# KiCad board JL-rev1.kicad_pcb (continued)
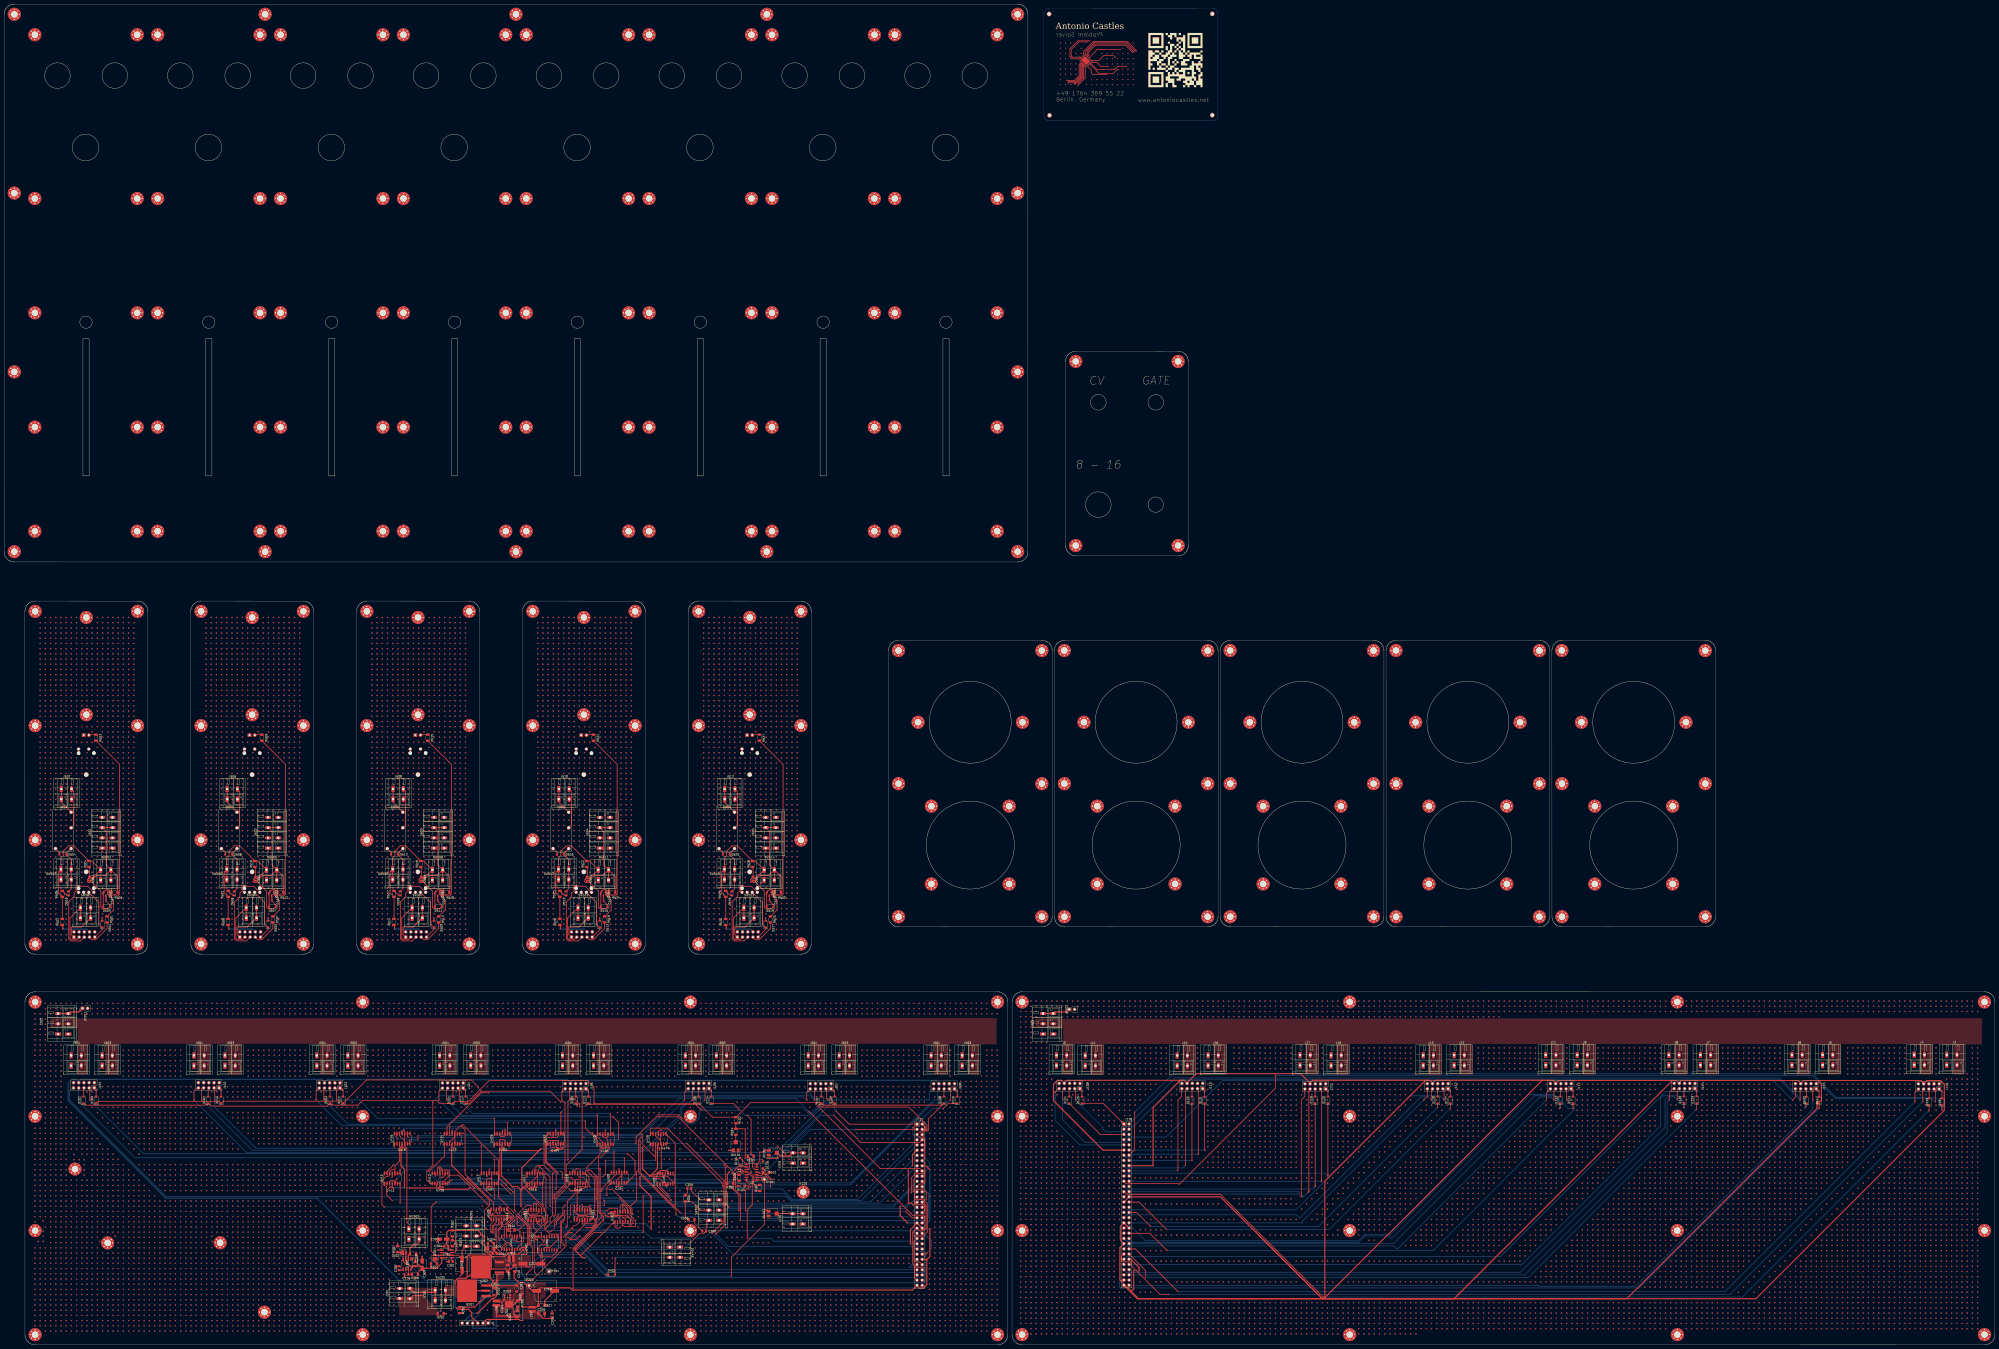
[diagram p0: board, top side]
## Routing (per net, layer and track width the routed paths; a pad name or vN(x,y) marks a point on that pad's centre or on a via; arc(x,y) is an arc through that point) (continued)
v4(197.39,345.17) v4(197.39,342.63) v4(197.39,340.09) v4(197.39,337.55) v4(197.39,335.01) v4(197.39,332.47) v4(197.39,329.93) v4(197.39,327.39) v4(197.39,324.85) v4(197.39,322.31) v4(197.39,319.77) v4(197.39,317.23) v4(197.39,314.69) v4(197.39,312.15) v4(197.39,309.61) v4(197.39,307.07) v4(197.39,304.53) v4(197.39,301.99) v4(197.39,299.45) v4(197.39,296.91) v4(197.39,294.37) v4(197.39,286.75) v4(197.39,284.21) v4(197.39,281.67) v4(197.39,279.13) v4(197.39,276.59) v4(197.39,274.05) v4(197.39,271.51) v4(197.39,268.97) v4(197.39,266.43) v4(197.39,263.89) v4(197.39,261.35) v4(197.39,258.81) v4(197.39,256.27) v4(197.39,253.73) v4(197.39,251.19) v4(197.39,248.65) v4(197.39,246.11) v4(197.39,238.49) v4(197.39,235.95) v4(197.39,233.41) v4(197.39,230.87) v4(197.39,228.33) v4(197.39,225.79) v4(197.39,218.17) v4(197.39,215.63) v4(197.39,208.01) v4(197.39,205.47) v4(199.93,350.25) v4(199.93,347.71) v4(199.93,345.17) v4(199.93,342.63) v4(199.93,340.09) v4(199.93,337.55) v4(199.93,335.01) v4(199.93,332.47) v4(199.93,329.93) v4(199.93,327.39) v4(199.93,324.85) v4(199.93,322.31) v4(199.93,319.77) v4(199.93,317.23) v4(199.93,314.69) v4(199.93,312.15) v4(199.93,301.99) v4(199.93,294.37) v4(199.93,286.75) v4(199.93,284.21) v4(199.93,281.67) v4(199.93,279.13) v4(199.93,276.59) v4(199.93,274.05) v4(199.93,271.51) v4(199.93,268.97) v4(199.93,266.43) v4(199.93,263.89) v4(199.93,261.35) v4(199.93,258.81) v4(199.93,256.27) v4(199.93,253.73) v4(199.93,251.19) v4(199.93,248.65) v4(199.93,246.11) v4(199.93,243.57) v4(199.93,235.95) v4(199.93,233.41) v4(199.93,230.87) v4(199.93,228.33) v4(199.93,225.79) v4(199.93,218.17) v4(202.47,350.25) v4(202.47,347.71) v4(202.47,345.17) v4(202.47,342.63) v4(202.47,340.09) v4(202.47,337.55) v4(202.47,335.01) v4(202.47,332.47) v4(202.47,329.93) v4(202.47,327.39) v4(202.47,324.85) v4(202.47,322.31) v4(202.47,319.77) v4(202.47,317.23) v4(202.47,314.69) v4(202.47,312.15) v4(202.47,301.99) v4(202.47,294.37) v4(202.47,289.29) v4(202.47,286.75) v4(202.47,284.21) v4(202.47,281.67) v4(202.47,274.05) v4(202.47,271.51) v4(202.47,268.97) v4(202.47,266.43) v4(202.47,263.89) v4(202.47,261.35) v4(202.47,258.81) v4(202.47,256.27) v4(202.47,253.73) v4(202.47,251.19) v4(202.47,248.65) v4(202.47,246.11) v4(202.47,243.57) v4(202.47,241.03) v4(202.47,218.17) v4(202.47,215.63) v4(202.47,213.09) v4(202.47,210.55) v4(205.01,350.25) v4(205.01,347.71) v4(205.01,345.17) v4(205.01,342.63) v4(205.01,340.09) v4(205.01,337.55) v4(205.01,335.01) v4(205.01,332.47) v4(205.01,329.93) v4(205.01,327.39) v4(205.01,324.85) v4(205.01,322.31) v4(205.01,319.77) v4(205.01,317.23) v4(205.01,314.69) v4(205.01,312.15) v4(205.01,301.99) v4(205.01,299.45) v4(205.01,294.37) v4(205.01,286.75) v4(205.01,284.21) v4(205.01,281.67) v4(205.01,279.13) v4(205.01,276.59) v4(205.01,274.05) v4(205.01,271.51) v4(205.01,268.97) v4(205.01,266.43) v4(205.01,263.89) v4(205.01,261.35) v4(205.01,258.81) v4(205.01,256.27) v4(205.01,253.73) v4(205.01,251.19) v4(205.01,248.65) v4(205.01,246.11) v4(205.01,243.57) v4(205.01,241.03) v4(205.01,238.49) v4(205.01,230.87) v4(205.01,205.47) v4(207.55,355.33) v4(207.55,352.79) v4(207.55,350.25) v4(207.55,347.71) v4(207.55,345.17) v4(207.55,342.63) v4(207.55,340.09) v4(207.55,337.55) v4(207.55,335.01) v4(207.55,332.47) v4(207.55,329.93) v4(207.55,327.39) v4(207.55,324.85) v4(207.55,322.31) v4(207.55,319.77) v4(207.55,317.23) v4(207.55,314.69) v4(207.55,312.15) v4(207.55,309.61) v4(207.55,307.07) v4(207.55,304.53) v4(207.55,301.99) v4(207.55,291.83) v4(207.55,286.75) v4(207.55,284.21) v4(207.55,281.67) v4(207.55,279.13) v4(207.55,276.59) v4(207.55,274.05) v4(207.55,271.51) v4(207.55,268.97) v4(207.55,266.43) v4(207.55,263.89) v4(207.55,261.35) v4(207.55,258.81) v4(207.55,256.27) v4(207.55,253.73) v4(207.55,251.19) v4(207.55,248.65) v4(207.55,246.11) v4(207.55,243.57) v4(207.55,241.03) v4(207.55,238.49) v4(207.55,235.95) v4(207.55,225.79) v4(210.09,355.33) v4(210.09,352.79) v4(210.09,350.25) v4(210.09,347.71) v4(210.09,345.17) v4(210.09,342.63) v4(210.09,340.09) v4(210.09,337.55) v4(210.09,335.01) v4(210.09,332.47) v4(210.09,329.93) v4(210.09,327.39) v4(210.09,324.85) v4(210.09,322.31) v4(210.09,319.77) v4(210.09,317.23) v4(210.09,314.69) v4(210.09,312.15) v4(210.09,309.61) v4(210.09,307.07) v4(210.09,304.53) v4(210.09,301.99) v4(210.09,299.45) v4(210.09,296.91) v4(210.09,294.37) v4(210.09,289.29) v4(210.09,286.75) v4(210.09,284.21) v4(210.09,281.67) v4(210.09,279.13) v4(210.09,276.59) v4(210.09,274.05) v4(210.09,271.51) v4(210.09,268.97) v4(210.09,266.43) v4(210.09,263.89) v4(210.09,261.35) v4(210.09,241.03) v4(210.09,238.49) v4(210.09,235.95) v4(210.09,223.25) v4(210.09,210.55) v4(210.09,197.85) v4(212.63,355.33) v4(212.63,352.79) v4(212.63,350.25) v4(212.63,347.71) v4(212.63,345.17) v4(212.63,342.63) v4(212.63,340.09) v4(212.63,337.55) v4(212.63,335.01) v4(212.63,332.47) v4(212.63,329.93) v4(212.63,327.39) v4(212.63,324.85) v4(212.63,322.31) v4(212.63,319.77) v4(212.63,317.23) v4(212.63,314.69) v4(212.63,312.15) v4(212.63,309.61) v4(212.63,307.07) v4(212.63,304.53) v4(212.63,301.99) v4(212.63,299.45) v4(212.63,296.91) v4(212.63,294.37) v4(212.63,291.83) v4(212.63,286.75) v4(212.63,284.21) v4(212.63,281.67) v4(212.63,279.13) v4(212.63,276.59) v4(212.63,274.05) v4(212.63,271.51) v4(212.63,268.97) v4(212.63,266.43) v4(212.63,263.89) v4(212.63,261.35) v4(212.63,258.81) v4(212.63,256.27) v4(212.63,200.39) v4(212.63,197.85) v4(215.17,355.33) v4(215.17,352.79) v4(215.17,350.25) v4(215.17,347.71) v4(215.17,345.17) v4(215.17,342.63) v4(215.17,340.09) v4(215.17,337.55) v4(215.17,335.01) v4(215.17,332.47) v4(215.17,329.93) v4(215.17,327.39) v4(215.17,324.85) v4(215.17,322.31) v4(215.17,319.77) v4(215.17,317.23) v4(215.17,314.69) v4(215.17,312.15) v4(215.17,309.61) v4(215.17,307.07) v4(215.17,304.53) v4(215.17,301.99) v4(215.17,299.45) v4(215.17,296.91) v4(215.17,294.37) v4(215.17,291.83) v4(215.17,289.29) v4(215.17,284.21) v4(215.17,281.67) v4(215.17,279.13) v4(215.17,276.59) v4(215.17,274.05) v4(215.17,271.51) v4(215.17,268.97) v4(215.17,266.43) v4(215.17,263.89) v4(215.17,261.35) v4(215.17,241.03) v4(215.17,238.49) v4(215.17,235.95) v4(215.17,208.01) v4(215.17,205.47) v4(215.17,202.93) v4(215.17,200.39) v4(215.17,197.85) v4(217.71,355.33) v4(217.71,352.79) v4(217.71,350.25) v4(217.71,347.71) v4(217.71,345.17) v4(217.71,342.63) v4(217.71,340.09) v4(217.71,337.55) v4(217.71,335.01) v4(217.71,332.47) v4(217.71,329.93) v4(217.71,327.39) v4(217.71,324.85) v4(217.71,322.31) v4(217.71,319.77) v4(217.71,317.23) v4(217.71,314.69) v4(217.71,312.15) v4(217.71,309.61) v4(217.71,307.07) v4(217.71,304.53) v4(217.71,301.99) v4(217.71,299.45) v4(217.71,296.91) v4(217.71,294.37) v4(217.71,291.83) v4(217.71,289.29) v4(217.71,286.75) v4(217.71,218.17) v4(217.71,215.63) v4(217.71,213.09) v4(217.71,210.55) v4(217.71,208.01) v4(217.71,205.47) v4(217.71,202.93) v4(217.71,200.39) v4(217.71,197.85) v4(220.25,355.33) v4(220.25,352.79) v4(220.25,350.25) v4(220.25,347.71) v4(220.25,345.17) v4(220.25,342.63) v4(220.25,340.09) v4(220.25,337.55) v4(220.25,335.01) v4(220.25,332.47) v4(220.25,329.93) v4(220.25,327.39) v4(220.25,324.85) v4(220.25,322.31) v4(220.25,319.77) v4(220.25,317.23) v4(220.25,314.69) v4(220.25,312.15) v4(220.25,309.61) v4(220.25,307.07) v4(220.25,304.53) v4(220.25,301.99) v4(220.25,299.45) v4(220.25,296.91) v4(220.25,294.37) v4(220.25,291.83) v4(220.25,289.29) v4(220.25,286.75) v4(220.25,284.21) v4(220.25,281.67) v4(220.25,279.13) v4(220.25,276.59) v4(220.25,274.05) v4(220.25,271.51) v4(220.25,268.97) v4(220.25,266.43) v4(220.25,263.89) v4(220.25,261.35) v4(220.25,258.81) v4(220.25,256.27) v4(220.25,253.73) v4(220.25,251.19) v4(220.25,248.65) v4(220.25,246.11) v4(220.25,243.57) v4(220.25,241.03) v4(220.25,238.49) v4(220.25,235.95) v4(220.25,233.41) v4(220.25,230.87) v4(220.25,228.33) v4(220.25,225.79) v4(220.25,223.25) v4(220.25,220.71) v4(220.25,218.17) v4(220.25,215.63) v4(220.25,213.09) v4(220.25,210.55) v4(220.25,208.01) v4(220.25,205.47) v4(220.25,202.93) v4(220.25,200.39) v4(220.25,197.85) v4(222.79,355.33) v4(222.79,352.79) v4(222.79,350.25) v4(222.79,347.71) v4(222.79,345.17) v4(222.79,342.63) v4(222.79,340.09) v4(222.79,337.55) v4(222.79,335.01) v4(222.79,332.47) v4(222.79,329.93) v4(222.79,327.39) v4(222.79,324.85) v4(222.79,322.31) v4(222.79,319.77) v4(222.79,317.23) v4(222.79,314.69) v4(222.79,312.15) v4(222.79,309.61) v4(222.79,307.07) v4(222.79,304.53) v4(222.79,301.99) v4(222.79,299.45) v4(222.79,296.91) v4(222.79,294.37) v4(222.79,291.83) v4(222.79,289.29) v4(222.79,286.75) v4(222.79,284.21) v4(222.79,281.67) v4(222.79,279.13) v4(222.79,276.59) v4(222.79,274.05) v4(222.79,271.51) v4(222.79,268.97) v4(222.79,266.43) v4(222.79,263.89) v4(222.79,261.35) v4(222.79,258.81) v4(222.79,256.27) v4(222.79,253.73) v4(222.79,251.19) v4(222.79,248.65) v4(222.79,246.11) v4(222.79,243.57) v4(222.79,241.03) v4(222.79,238.49) v4(222.79,235.95) v4(222.79,233.41) v4(222.79,230.87) v4(222.79,228.33) v4(222.79,225.79) v4(222.79,223.25) v4(222.79,220.71) v4(222.79,218.17) v4(222.79,215.63) v4(222.79,213.09) v4(222.79,210.55) v4(222.79,208.01) v4(222.79,205.47) v4(222.79,202.93) v4(222.79,200.39) v4(222.79,197.85) v4(225.33,352.79) v4(225.33,350.25) v4(225.33,347.71) v4(225.33,345.17) v4(225.33,342.63) v4(225.33,340.09) v4(225.33,337.55) v4(225.33,335.01) v4(225.33,332.47) v4(225.33,329.93) v4(225.33,327.39) v4(225.33,324.85) v4(225.33,322.31) v4(225.33,319.77) v4(225.33,317.23) v4(225.33,314.69) v4(225.33,312.15) v4(225.33,309.61) v4(225.33,307.07) v4(225.33,296.91) v4(225.33,294.37) v4(225.33,291.83) v4(225.33,289.29) v4(225.33,286.75) v4(225.33,284.21) v4(225.33,281.67) v4(225.33,279.13) v4(225.33,276.59) v4(225.33,274.05) v4(225.33,271.51) v4(225.33,268.97) v4(225.33,266.43) v4(225.33,263.89) v4(225.33,261.35) v4(225.33,258.81) v4(225.33,256.27) v4(225.33,253.73) v4(225.33,251.19) v4(225.33,241.03) v4(225.33,238.49) v4(225.33,235.95) v4(225.33,233.41) v4(225.33,230.87) v4(225.33,228.33) v4(225.33,225.79) v4(225.33,223.25) v4(225.33,220.71) v4(225.33,218.17) v4(225.33,215.63) v4(225.33,213.09) v4(225.33,210.55) v4(225.33,208.01) v4(225.33,205.47) v4(225.33,202.93) v4(225.33,200.39) v4(260.61,352.79) v4(260.61,350.25) v4(260.61,347.71) v4(260.61,345.17) v4(260.61,342.63) v4(260.61,340.09) v4(260.61,337.55) v4(260.61,335.01) v4(260.61,332.47) v4(260.61,329.93) v4(260.61,327.39) v4(260.61,324.85) v4(260.61,322.31) v4(260.61,319.77) v4(260.61,317.23) v4(260.61,314.69) v4(260.61,312.15) v4(260.61,309.61) v4(260.61,307.07) v4(260.61,296.91) v4(260.61,294.37) v4(260.61,291.83) v4(260.61,289.29) v4(260.61,286.75) v4(260.61,284.21) v4(260.61,281.67) v4(260.61,279.13) v4(260.61,276.59) v4(260.61,274.05) v4(260.61,271.51) v4(260.61,268.97) v4(260.61,266.43) v4(260.61,263.89) v4(260.61,261.35) v4(260.61,258.81) v4(260.61,256.27) v4(260.61,253.73) v4(260.61,251.19) v4(260.61,241.03) v4(260.61,238.49) v4(260.61,235.95) v4(260.61,233.41) v4(260.61,230.87) v4(260.61,228.33) v4(260.61,225.79) v4(260.61,223.25) v4(260.61,220.71) v4(260.61,218.17) v4(260.61,215.63) v4(260.61,213.09) v4(260.61,210.55) v4(260.61,208.01) v4(260.61,205.47) v4(260.61,202.93) v4(260.61,200.39) v4(263.15,355.33) v4(263.15,352.79) v4(263.15,350.25) v4(263.15,347.71) v4(263.15,345.17) v4(263.15,342.63) v4(263.15,340.09) v4(263.15,337.55) v4(263.15,335.01) v4(263.15,332.47) v4(263.15,329.93) v4(263.15,327.39) v4(263.15,324.85) v4(263.15,322.31) v4(263.15,319.77) v4(263.15,317.23) v4(263.15,314.69) v4(263.15,312.15) v4(263.15,309.61) v4(263.15,307.07) v4(263.15,304.53) v4(263.15,301.99) v4(263.15,299.45) v4(263.15,296.91) v4(263.15,294.37) v4(263.15,291.83) v4(263.15,289.29) v4(263.15,286.75) v4(263.15,284.21) v4(263.15,281.67) v4(263.15,279.13) v4(263.15,276.59) v4(263.15,274.05) v4(263.15,271.51) v4(263.15,268.97) v4(263.15,266.43) v4(263.15,263.89) v4(263.15,261.35) v4(263.15,258.81) v4(263.15,256.27) v4(263.15,253.73) v4(263.15,251.19) v4(263.15,248.65) v4(263.15,246.11) v4(263.15,243.57) v4(263.15,241.03) v4(263.15,238.49) v4(263.15,235.95) v4(263.15,233.41) v4(263.15,230.87) v4(263.15,228.33) v4(263.15,225.79) v4(263.15,223.25) v4(263.15,220.71) v4(263.15,218.17) v4(263.15,215.63) v4(263.15,213.09) v4(263.15,210.55) v4(263.15,208.01) v4(263.15,205.47) v4(263.15,202.93) v4(263.15,200.39) v4(263.15,197.85) v4(265.69,355.33) v4(265.69,352.79) v4(265.69,350.25) v4(265.69,347.71) v4(265.69,345.17) v4(265.69,342.63) v4(265.69,340.09) v4(265.69,337.55) v4(265.69,335.01) v4(265.69,332.47) v4(265.69,329.93) v4(265.69,327.39) v4(265.69,324.85) v4(265.69,322.31) v4(265.69,319.77) v4(265.69,317.23) v4(265.69,314.69) v4(265.69,312.15) v4(265.69,309.61) v4(265.69,307.07) v4(265.69,304.53) v4(265.69,301.99) v4(265.69,299.45) v4(265.69,296.91) v4(265.69,294.37) v4(265.69,291.83) v4(265.69,289.29) v4(265.69,286.75) v4(265.69,284.21) v4(265.69,281.67) v4(265.69,279.13) v4(265.69,276.59) v4(265.69,274.05) v4(265.69,271.51) v4(265.69,268.97) v4(265.69,266.43) v4(265.69,263.89) v4(265.69,261.35) v4(265.69,258.81) v4(265.69,256.27) v4(265.69,253.73) v4(265.69,251.19) v4(265.69,248.65) v4(265.69,246.11) v4(265.69,243.57) v4(265.69,241.03) v4(265.69,238.49) v4(265.69,235.95) v4(265.69,233.41) v4(265.69,230.87) v4(265.69,228.33) v4(265.69,225.79) v4(265.69,223.25) v4(265.69,220.71) v4(265.69,218.17) v4(265.69,215.63) v4(265.69,213.09) v4(265.69,210.55) v4(265.69,208.01) v4(265.69,205.47) v4(265.69,202.93) v4(265.69,200.39) v4(265.69,197.85) v4(268.23,355.33) v4(268.23,352.79) v4(268.23,350.25) v4(268.23,347.71) v4(268.23,345.17) v4(268.23,342.63) v4(268.23,340.09) v4(268.23,337.55) v4(268.23,335.01) v4(268.23,332.47) v4(268.23,329.93) v4(268.23,327.39) v4(268.23,324.85) v4(268.23,322.31) v4(268.23,319.77) v4(268.23,317.23) v4(268.23,314.69) v4(268.23,312.15) v4(268.23,309.61) v4(268.23,307.07) v4(268.23,304.53) v4(268.23,301.99) v4(268.23,299.45) v4(268.23,296.91) v4(268.23,294.37) v4(268.23,291.83) v4(268.23,289.29) v4(268.23,286.75) v4(268.23,284.21) v4(268.23,281.67) v4(268.23,279.13) v4(268.23,276.59) v4(268.23,274.05) v4(268.23,271.51) v4(268.23,268.97) v4(268.23,266.43) v4(268.23,263.89) v4(268.23,261.35) v4(268.23,258.81) v4(268.23,256.27) v4(268.23,253.73) v4(268.23,251.19) v4(268.23,248.65) v4(268.23,246.11) v4(268.23,238.49) v4(268.23,235.95) v4(268.23,233.41) v4(268.23,230.87) v4(268.23,228.33) v4(268.23,225.79) v4(268.23,223.25) v4(268.23,220.71) v4(268.23,218.17) v4(268.23,215.63) v4(268.23,213.09) v4(268.23,210.55) v4(268.23,208.01) v4(268.23,205.47) v4(268.23,202.93) v4(268.23,200.39) v4(268.23,197.85) v4(270.77,355.33) v4(270.77,352.79) v4(270.77,350.25) v4(270.77,347.71) v4(270.77,345.17) v4(270.77,342.63) v4(270.77,340.09) v4(270.77,337.55) v4(270.77,335.01) v4(270.77,332.47) v4(270.77,329.93) v4(270.77,327.39) v4(270.77,324.85) v4(270.77,322.31) v4(270.77,319.77) v4(270.77,317.23) v4(270.77,314.69) v4(270.77,312.15) v4(270.77,309.61) v4(270.77,307.07) v4(270.77,304.53) v4(270.77,301.99) v4(270.77,299.45) v4(270.77,296.91) v4(270.77,294.37) v4(270.77,291.83) v4(270.77,289.29) v4(270.77,286.75) v4(270.77,284.21) v4(270.77,281.67) v4(270.77,279.13) v4(270.77,276.59) v4(270.77,274.05) v4(270.77,261.35) v4(270.77,258.81) v4(270.77,256.27) v4(270.77,253.73) v4(270.77,251.19) v4(270.77,248.65) v4(270.77,246.11) v4(270.77,243.57) v4(270.77,223.25) v4(270.77,200.39) v4(270.77,197.85) v4(273.31,355.33) v4(273.31,352.79) v4(273.31,350.25) v4(273.31,347.71) v4(273.31,345.17) v4(273.31,342.63) v4(273.31,340.09) v4(273.31,337.55) v4(273.31,335.01) v4(273.31,332.47) v4(273.31,329.93) v4(273.31,327.39) v4(273.31,324.85) v4(273.31,322.31) v4(273.31,319.77) v4(273.31,317.23) v4(273.31,314.69) v4(273.31,312.15) v4(273.31,309.61) v4(273.31,307.07) v4(273.31,304.53) v4(273.31,301.99) v4(273.31,299.45) v4(273.31,296.91) v4(273.31,294.37) v4(273.31,291.83) v4(273.31,289.29) v4(273.31,286.75) v4(273.31,284.21) v4(273.31,281.67) v4(273.31,279.13) v4(273.31,276.59) v4(273.31,274.05) v4(273.31,271.51) v4(273.31,268.97) v4(273.31,266.43) v4(273.31,258.81) v4(273.31,256.27) v4(273.31,253.73) v4(273.31,251.19) v4(273.31,248.65) v4(273.31,246.11) v4(273.31,235.95) v4(273.31,233.41) v4(273.31,230.87) v4(273.31,228.33) v4(273.31,225.79) v4(273.31,223.25) v4(273.31,218.17) v4(273.31,215.63) v4(273.31,213.09) v4(273.31,210.55) v4(273.31,208.01) v4(273.31,205.47) v4(273.31,200.39) v4(273.31,197.85) v4(275.85,355.33) v4(275.85,352.79) v4(275.85,350.25) v4(275.85,347.71) v4(275.85,345.17) v4(275.85,342.63) v4(275.85,340.09) v4(275.85,337.55) v4(275.85,335.01) v4(275.85,332.47) v4(275.85,329.93) v4(275.85,327.39) v4(275.85,324.85) v4(275.85,322.31) v4(275.85,319.77) v4(275.85,317.23) v4(275.85,314.69) v4(275.85,312.15) v4(275.85,309.61) v4(275.85,307.07) v4(275.85,304.53) v4(275.85,301.99) v4(275.85,299.45) v4(275.85,296.91) v4(275.85,294.37) v4(275.85,291.83) v4(275.85,289.29) v4(275.85,286.75) v4(275.85,284.21) v4(275.85,281.67) v4(275.85,279.13) v4(275.85,276.59) v4(275.85,274.05) v4(275.85,263.89) v4(275.85,256.27) v4(275.85,248.65) v4(275.85,246.11) v4(275.85,213.09) v4(278.39,355.33) v4(278.39,352.79) v4(278.39,350.25) v4(278.39,347.71) v4(278.39,345.17) v4(278.39,342.63) v4(278.39,340.09) v4(278.39,337.55) v4(278.39,335.01) v4(278.39,332.47) v4(278.39,329.93) v4(278.39,327.39) v4(278.39,324.85) v4(278.39,322.31) v4(278.39,319.77) v4(278.39,317.23) v4(278.39,314.69) v4(278.39,312.15) v4(278.39,309.61) v4(278.39,307.07) v4(278.39,304.53) v4(278.39,301.99) v4(278.39,299.45) v4(278.39,296.91) v4(278.39,294.37) v4(278.39,286.75) v4(278.39,284.21) v4(278.39,281.67) v4(278.39,279.13) v4(278.39,276.59) v4(278.39,274.05) v4(278.39,271.51) v4(278.39,268.97) v4(278.39,266.43) v4(278.39,263.89) v4(278.39,261.35) v4(278.39,258.81) v4(278.39,256.27) v4(278.39,253.73) v4(278.39,251.19) v4(278.39,248.65) v4(278.39,246.11) v4(278.39,238.49) v4(278.39,235.95) v4(278.39,233.41) v4(278.39,230.87) v4(278.39,228.33) v4(278.39,225.79) v4(278.39,218.17) v4(278.39,215.63) v4(278.39,208.01) v4(278.39,205.47) v4(280.93,350.25) v4(280.93,347.71) v4(280.93,345.17) v4(280.93,342.63) v4(280.93,340.09) v4(280.93,337.55) v4(280.93,335.01) v4(280.93,332.47) v4(280.93,329.93) v4(280.93,327.39) v4(280.93,324.85) v4(280.93,322.31) v4(280.93,319.77) v4(280.93,317.23) v4(280.93,314.69) v4(280.93,312.15) v4(280.93,301.99) v4(280.93,294.37) v4(280.93,286.75) v4(280.93,284.21) v4(280.93,281.67) v4(280.93,279.13) v4(280.93,276.59) v4(280.93,274.05) v4(280.93,271.51) v4(280.93,268.97) v4(280.93,266.43) v4(280.93,263.89) v4(280.93,261.35) v4(280.93,258.81) v4(280.93,256.27) v4(280.93,253.73) v4(280.93,251.19) v4(280.93,248.65) v4(280.93,246.11) v4(280.93,243.57) v4(280.93,235.95) v4(280.93,233.41) v4(280.93,230.87) v4(280.93,228.33) v4(280.93,225.79) v4(280.93,218.17) v4(283.47,350.25) v4(283.47,347.71) v4(283.47,345.17) v4(283.47,342.63) v4(283.47,340.09) v4(283.47,337.55) v4(283.47,335.01) v4(283.47,332.47) v4(283.47,329.93) v4(283.47,327.39) v4(283.47,324.85) v4(283.47,322.31) v4(283.47,319.77) v4(283.47,317.23) v4(283.47,314.69) v4(283.47,312.15) v4(283.47,301.99) v4(283.47,294.37) v4(283.47,289.29) v4(283.47,286.75) v4(283.47,284.21) v4(283.47,281.67) v4(283.47,274.05) v4(283.47,271.51) v4(283.47,268.97) v4(283.47,266.43) v4(283.47,263.89) v4(283.47,261.35) v4(283.47,258.81) v4(283.47,256.27) v4(283.47,253.73) v4(283.47,251.19) v4(283.47,248.65) v4(283.47,246.11) v4(283.47,243.57) v4(283.47,241.03) v4(283.47,218.17) v4(283.47,215.63) v4(283.47,213.09) v4(283.47,210.55) v4(286.01,350.25) v4(286.01,347.71) v4(286.01,345.17) v4(286.01,342.63) v4(286.01,340.09) v4(286.01,337.55) v4(286.01,335.01) v4(286.01,332.47) v4(286.01,329.93) v4(286.01,327.39) v4(286.01,324.85) v4(286.01,322.31) v4(286.01,319.77) v4(286.01,317.23) v4(286.01,314.69) v4(286.01,312.15) v4(286.01,301.99) v4(286.01,299.45) v4(286.01,294.37) v4(286.01,286.75) v4(286.01,284.21) v4(286.01,281.67) v4(286.01,279.13) v4(286.01,276.59) v4(286.01,274.05) v4(286.01,271.51) v4(286.01,268.97) v4(286.01,266.43) v4(286.01,263.89) v4(286.01,261.35) v4(286.01,258.81) v4(286.01,256.27) v4(286.01,253.73) v4(286.01,251.19) v4(286.01,248.65) v4(286.01,246.11) v4(286.01,243.57) v4(286.01,241.03) v4(286.01,238.49) v4(286.01,230.87) v4(286.01,205.47) v4(288.55,355.33) v4(288.55,352.79) v4(288.55,350.25) v4(288.55,347.71) v4(288.55,345.17) v4(288.55,342.63) v4(288.55,340.09) v4(288.55,337.55) v4(288.55,335.01) v4(288.55,332.47) v4(288.55,329.93) v4(288.55,327.39) v4(288.55,324.85) v4(288.55,322.31) v4(288.55,319.77) v4(288.55,317.23) v4(288.55,314.69) v4(288.55,312.15) v4(288.55,309.61) v4(288.55,307.07) v4(288.55,304.53) v4(288.55,301.99) v4(288.55,291.83) v4(288.55,286.75) v4(288.55,284.21) v4(288.55,281.67) v4(288.55,279.13) v4(288.55,276.59) v4(288.55,274.05) v4(288.55,271.51) v4(288.55,268.97) v4(288.55,266.43) v4(288.55,263.89) v4(288.55,261.35) v4(288.55,258.81) v4(288.55,256.27) v4(288.55,253.73) v4(288.55,251.19) v4(288.55,248.65) v4(288.55,246.11) v4(288.55,243.57) v4(288.55,241.03) v4(288.55,238.49) v4(288.55,235.95) v4(288.55,225.79) v4(291.09,355.33) v4(291.09,352.79) v4(291.09,350.25) v4(291.09,347.71) v4(291.09,345.17) v4(291.09,342.63) v4(291.09,340.09) v4(291.09,337.55) v4(291.09,335.01) v4(291.09,332.47) v4(291.09,329.93) v4(291.09,327.39) v4(291.09,324.85) v4(291.09,322.31) v4(291.09,319.77) v4(291.09,317.23) v4(291.09,314.69) v4(291.09,312.15) v4(291.09,309.61) v4(291.09,307.07) v4(291.09,304.53) v4(291.09,301.99) v4(291.09,299.45) v4(291.09,296.91) v4(291.09,294.37) v4(291.09,289.29) v4(291.09,286.75) v4(291.09,284.21) v4(291.09,281.67) v4(291.09,279.13) v4(291.09,276.59) v4(291.09,274.05) v4(291.09,271.51) v4(291.09,268.97) v4(291.09,266.43) v4(291.09,263.89) v4(291.09,261.35) v4(291.09,241.03) v4(291.09,238.49) v4(291.09,235.95) v4(291.09,223.25) v4(291.09,210.55) v4(291.09,197.85) v4(293.63,355.33) v4(293.63,352.79) v4(293.63,350.25) v4(293.63,347.71) v4(293.63,345.17) v4(293.63,342.63) v4(293.63,340.09) v4(293.63,337.55) v4(293.63,335.01) v4(293.63,332.47) v4(293.63,329.93) v4(293.63,327.39) v4(293.63,324.85) v4(293.63,322.31) v4(293.63,319.77) v4(293.63,317.23) v4(293.63,314.69) v4(293.63,312.15) v4(293.63,309.61) v4(293.63,307.07) v4(293.63,304.53) v4(293.63,301.99) v4(293.63,299.45) v4(293.63,296.91) v4(293.63,294.37) v4(293.63,291.83) v4(293.63,286.75) v4(293.63,284.21) v4(293.63,281.67) v4(293.63,279.13) v4(293.63,276.59) v4(293.63,274.05) v4(293.63,271.51) v4(293.63,268.97) v4(293.63,266.43) v4(293.63,263.89) v4(293.63,261.35) v4(293.63,258.81) v4(293.63,256.27) v4(293.63,200.39) v4(293.63,197.85) v4(296.17,355.33) v4(296.17,352.79) v4(296.17,350.25) v4(296.17,347.71) v4(296.17,345.17) v4(296.17,342.63) v4(296.17,340.09) v4(296.17,337.55) v4(296.17,335.01) v4(296.17,332.47) v4(296.17,329.93) v4(296.17,327.39) v4(296.17,324.85) v4(296.17,322.31) v4(296.17,319.77) v4(296.17,317.23) v4(296.17,314.69) v4(296.17,312.15) v4(296.17,309.61) v4(296.17,307.07) v4(296.17,304.53) v4(296.17,301.99) v4(296.17,299.45) v4(296.17,296.91) v4(296.17,294.37) v4(296.17,291.83) v4(296.17,289.29) v4(296.17,284.21) v4(296.17,281.67) v4(296.17,279.13) v4(296.17,276.59) v4(296.17,274.05) v4(296.17,271.51) v4(296.17,268.97) v4(296.17,266.43) v4(296.17,263.89) v4(296.17,261.35) v4(296.17,241.03) v4(296.17,238.49) v4(296.17,235.95) v4(296.17,208.01) v4(296.17,205.47) v4(296.17,202.93) v4(296.17,200.39) v4(296.17,197.85) v4(298.71,355.33) v4(298.71,352.79) v4(298.71,350.25) v4(298.71,347.71) v4(298.71,345.17) v4(298.71,342.63) v4(298.71,340.09) v4(298.71,337.55) v4(298.71,335.01) v4(298.71,332.47) v4(298.71,329.93) v4(298.71,327.39) v4(298.71,324.85) v4(298.71,322.31) v4(298.71,319.77) v4(298.71,317.23) v4(298.71,314.69) v4(298.71,312.15) v4(298.71,309.61) v4(298.71,307.07) v4(298.71,304.53) v4(298.71,301.99) v4(298.71,299.45) v4(298.71,296.91) v4(298.71,294.37) v4(298.71,291.83) v4(298.71,289.29) v4(298.71,286.75) v4(298.71,218.17) v4(298.71,215.63) v4(298.71,213.09) v4(298.71,210.55) v4(298.71,208.01) v4(298.71,205.47) v4(298.71,202.93) v4(298.71,200.39) v4(298.71,197.85) v4(301.25,355.33) v4(301.25,352.79) v4(301.25,350.25) v4(301.25,347.71) v4(301.25,345.17) v4(301.25,342.63) v4(301.25,340.09) v4(301.25,337.55) v4(301.25,335.01) v4(301.25,332.47) v4(301.25,329.93) v4(301.25,327.39) v4(301.25,324.85) v4(301.25,322.31) v4(301.25,319.77) v4(301.25,317.23) v4(301.25,314.69) v4(301.25,312.15) v4(301.25,309.61) v4(301.25,307.07) v4(301.25,304.53) v4(301.25,301.99) v4(301.25,299.45) v4(301.25,296.91) v4(301.25,294.37) v4(301.25,291.83) v4(301.25,289.29) v4(301.25,286.75) v4(301.25,284.21) v4(301.25,281.67) v4(301.25,279.13) v4(301.25,276.59) v4(301.25,274.05) v4(301.25,271.51) v4(301.25,268.97) v4(301.25,266.43) v4(301.25,263.89) v4(301.25,261.35) v4(301.25,258.81) v4(301.25,256.27) v4(301.25,253.73) v4(301.25,251.19) v4(301.25,248.65) v4(301.25,246.11) v4(301.25,243.57) v4(301.25,241.03) v4(301.25,238.49) v4(301.25,235.95) v4(301.25,233.41) v4(301.25,230.87) v4(301.25,228.33) v4(301.25,225.79) v4(301.25,223.25) v4(301.25,220.71) v4(301.25,218.17) v4(301.25,215.63) v4(301.25,213.09) v4(301.25,210.55) v4(301.25,208.01) v4(301.25,205.47) v4(301.25,202.93) v4(301.25,200.39) v4(301.25,197.85) v4(303.79,355.33) v4(303.79,352.79) v4(303.79,350.25) v4(303.79,347.71) v4(303.79,345.17) v4(303.79,342.63) v4(303.79,340.09) v4(303.79,337.55) v4(303.79,335.01) v4(303.79,332.47) v4(303.79,329.93) v4(303.79,327.39) v4(303.79,324.85) v4(303.79,322.31) v4(303.79,319.77) v4(303.79,317.23) v4(303.79,314.69) v4(303.79,312.15) v4(303.79,309.61) v4(303.79,307.07) v4(303.79,304.53) v4(303.79,301.99) v4(303.79,299.45) v4(303.79,296.91) v4(303.79,294.37) v4(303.79,291.83) v4(303.79,289.29) v4(303.79,286.75) v4(303.79,284.21) v4(303.79,281.67) v4(303.79,279.13) v4(303.79,276.59) v4(303.79,274.05) v4(303.79,271.51) v4(303.79,268.97) v4(303.79,266.43) v4(303.79,263.89) v4(303.79,261.35) v4(303.79,258.81) v4(303.79,256.27) v4(303.79,253.73) v4(303.79,251.19) v4(303.79,248.65) v4(303.79,246.11) v4(303.79,243.57) v4(303.79,241.03) v4(303.79,238.49) v4(303.79,235.95) v4(303.79,233.41) v4(303.79,230.87) v4(303.79,228.33) v4(303.79,225.79) v4(303.79,223.25) v4(303.79,220.71) v4(303.79,218.17) v4(303.79,215.63) v4(303.79,213.09) v4(303.79,210.55) v4(303.79,208.01) v4(303.79,205.47) v4(303.79,202.93) v4(303.79,200.39) v4(303.79,197.85) v4(306.33,352.79) v4(306.33,350.25) v4(306.33,347.71) v4(306.33,345.17) v4(306.33,342.63) v4(306.33,340.09) v4(306.33,337.55) v4(306.33,335.01) v4(306.33,332.47) v4(306.33,329.93) v4(306.33,327.39) v4(306.33,324.85) v4(306.33,322.31) v4(306.33,319.77) v4(306.33,317.23) v4(306.33,314.69) v4(306.33,312.15) v4(306.33,309.61) v4(306.33,307.07) v4(306.33,296.91) v4(306.33,294.37) v4(306.33,291.83) v4(306.33,289.29) v4(306.33,286.75) v4(306.33,284.21) v4(306.33,281.67) v4(306.33,279.13) v4(306.33,276.59) v4(306.33,274.05) v4(306.33,271.51) v4(306.33,268.97) v4(306.33,266.43) v4(306.33,263.89) v4(306.33,261.35) v4(306.33,258.81) v4(306.33,256.27) v4(306.33,253.73) v4(306.33,251.19) v4(306.33,241.03) v4(306.33,238.49) v4(306.33,235.95) v4(306.33,233.41) v4(306.33,230.87) v4(306.33,228.33) v4(306.33,225.79) v4(306.33,223.25) v4(306.33,220.71) v4(306.33,218.17) v4(306.33,215.63) v4(306.33,213.09) v4(306.33,210.55) v4(306.33,208.01) v4(306.33,205.47) v4(306.33,202.93) v4(306.33,200.39) v4(341.61,352.79) v4(341.61,350.25) v4(341.61,347.71) v4(341.61,345.17) v4(341.61,342.63) v4(341.61,340.09) v4(341.61,337.55) v4(341.61,335.01) v4(341.61,332.47) v4(341.61,329.93) v4(341.61,327.39) v4(341.61,324.85) v4(341.61,322.31) v4(341.61,319.77) v4(341.61,317.23) v4(341.61,314.69) v4(341.61,312.15) v4(341.61,309.61) v4(341.61,307.07) v4(341.61,296.91) v4(341.61,294.37) v4(341.61,291.83) v4(341.61,289.29) v4(341.61,286.75) v4(341.61,284.21) v4(341.61,281.67) v4(341.61,279.13) v4(341.61,276.59) v4(341.61,274.05) v4(341.61,271.51) v4(341.61,268.97) v4(341.61,266.43) v4(341.61,263.89) v4(341.61,261.35) v4(341.61,258.81) v4(341.61,256.27) v4(341.61,253.73) v4(341.61,251.19) v4(341.61,241.03) v4(341.61,238.49) v4(341.61,235.95) v4(341.61,233.41) v4(341.61,230.87) v4(341.61,228.33) v4(341.61,225.79) v4(341.61,223.25) v4(341.61,220.71) v4(341.61,218.17) v4(341.61,215.63) v4(341.61,213.09) v4(341.61,210.55) v4(341.61,208.01) v4(341.61,205.47) v4(341.61,202.93) v4(341.61,200.39) v4(344.15,355.33) v4(344.15,352.79) v4(344.15,350.25) v4(344.15,347.71) v4(344.15,345.17) v4(344.15,342.63) v4(344.15,340.09) v4(344.15,337.55) v4(344.15,335.01) v4(344.15,332.47) v4(344.15,329.93) v4(344.15,327.39) v4(344.15,324.85) v4(344.15,322.31) v4(344.15,319.77) v4(344.15,317.23) v4(344.15,314.69) v4(344.15,312.15) v4(344.15,309.61) v4(344.15,307.07) v4(344.15,304.53) v4(344.15,301.99) v4(344.15,299.45) v4(344.15,296.91) v4(344.15,294.37) v4(344.15,291.83) v4(344.15,289.29) v4(344.15,286.75) v4(344.15,284.21) v4(344.15,281.67) v4(344.15,279.13) v4(344.15,276.59) v4(344.15,274.05) v4(344.15,271.51) v4(344.15,268.97) v4(344.15,266.43) v4(344.15,263.89) v4(344.15,261.35) v4(344.15,258.81) v4(344.15,256.27) v4(344.15,253.73) v4(344.15,251.19) v4(344.15,248.65) v4(344.15,246.11) v4(344.15,243.57) v4(344.15,241.03) v4(344.15,238.49) v4(344.15,235.95) v4(344.15,233.41) v4(344.15,230.87) v4(344.15,228.33) v4(344.15,225.79) v4(344.15,223.25) v4(344.15,220.71) v4(344.15,218.17) v4(344.15,215.63) v4(344.15,213.09) v4(344.15,210.55) v4(344.15,208.01) v4(344.15,205.47) v4(344.15,202.93) v4(344.15,200.39) v4(344.15,197.85) v4(346.69,355.33) v4(346.69,352.79) v4(346.69,350.25) v4(346.69,347.71) v4(346.69,345.17) v4(346.69,342.63) v4(346.69,340.09) v4(346.69,337.55) v4(346.69,335.01) v4(346.69,332.47) v4(346.69,329.93) v4(346.69,327.39) v4(346.69,324.85) v4(346.69,322.31) v4(346.69,319.77) v4(346.69,317.23) v4(346.69,314.69) v4(346.69,312.15) v4(346.69,309.61) v4(346.69,307.07) v4(346.69,304.53) v4(346.69,301.99) v4(346.69,299.45) v4(346.69,296.91) v4(346.69,294.37) v4(346.69,291.83) v4(346.69,289.29) v4(346.69,286.75) v4(346.69,284.21) v4(346.69,281.67) v4(346.69,279.13) v4(346.69,276.59) v4(346.69,274.05) v4(346.69,271.51) v4(346.69,268.97) v4(346.69,266.43) v4(346.69,263.89) v4(346.69,261.35) v4(346.69,258.81) v4(346.69,256.27) v4(346.69,253.73) v4(346.69,251.19) v4(346.69,248.65) v4(346.69,246.11) v4(346.69,243.57) v4(346.69,241.03) v4(346.69,238.49) v4(346.69,235.95) v4(346.69,233.41) v4(346.69,230.87) v4(346.69,228.33) v4(346.69,225.79) v4(346.69,223.25) v4(346.69,220.71) v4(346.69,218.17) v4(346.69,215.63) v4(346.69,213.09) v4(346.69,210.55) v4(346.69,208.01) v4(346.69,205.47) v4(346.69,202.93) v4(346.69,200.39) v4(346.69,197.85) v4(349.23,355.33) v4(349.23,352.79) v4(349.23,350.25) v4(349.23,347.71) v4(349.23,345.17) v4(349.23,342.63) v4(349.23,340.09) v4(349.23,337.55) v4(349.23,335.01) v4(349.23,332.47) v4(349.23,329.93) v4(349.23,327.39) v4(349.23,324.85) v4(349.23,322.31) v4(349.23,319.77) v4(349.23,317.23) v4(349.23,314.69) v4(349.23,312.15) v4(349.23,309.61) v4(349.23,307.07) v4(349.23,304.53) v4(349.23,301.99) v4(349.23,299.45) v4(349.23,296.91) v4(349.23,294.37) v4(349.23,291.83) v4(349.23,289.29) v4(349.23,286.75) v4(349.23,284.21) v4(349.23,281.67) v4(349.23,279.13) v4(349.23,276.59) v4(349.23,274.05) v4(349.23,271.51) v4(349.23,268.97) v4(349.23,266.43) v4(349.23,263.89) v4(349.23,261.35) v4(349.23,258.81) v4(349.23,256.27) v4(349.23,253.73) v4(349.23,251.19) v4(349.23,248.65) v4(349.23,246.11) v4(349.23,238.49) v4(349.23,235.95) v4(349.23,233.41) v4(349.23,230.87) v4(349.23,228.33) v4(349.23,225.79) v4(349.23,223.25) v4(349.23,220.71) v4(349.23,218.17) v4(349.23,215.63) v4(349.23,213.09) v4(349.23,210.55) v4(349.23,208.01) v4(349.23,205.47) v4(349.23,202.93) v4(349.23,200.39) v4(349.23,197.85) v4(351.77,355.33) v4(351.77,352.79) v4(351.77,350.25) v4(351.77,347.71) v4(351.77,345.17) v4(351.77,342.63) v4(351.77,340.09) v4(351.77,337.55) v4(351.77,335.01) v4(351.77,332.47) v4(351.77,329.93) v4(351.77,327.39) v4(351.77,324.85) v4(351.77,322.31) v4(351.77,319.77) v4(351.77,317.23) v4(351.77,314.69) v4(351.77,312.15) v4(351.77,309.61) v4(351.77,307.07) v4(351.77,304.53) v4(351.77,301.99) v4(351.77,299.45) v4(351.77,296.91) v4(351.77,294.37) v4(351.77,291.83) v4(351.77,289.29) v4(351.77,286.75) v4(351.77,284.21) v4(351.77,281.67) v4(351.77,279.13) v4(351.77,276.59) v4(351.77,274.05) v4(351.77,261.35) v4(351.77,258.81) v4(351.77,256.27) v4(351.77,253.73) v4(351.77,251.19) v4(351.77,248.65) v4(351.77,246.11) v4(351.77,243.57) v4(351.77,223.25) v4(351.77,200.39) v4(351.77,197.85) v4(354.31,355.33) v4(354.31,352.79) v4(354.31,350.25) v4(354.31,347.71) v4(354.31,345.17) v4(354.31,342.63) v4(354.31,340.09) v4(354.31,337.55) v4(354.31,335.01) v4(354.31,332.47) v4(354.31,329.93) v4(354.31,327.39) v4(354.31,324.85) v4(354.31,322.31) v4(354.31,319.77) v4(354.31,317.23) v4(354.31,314.69) v4(354.31,312.15) v4(354.31,309.61) v4(354.31,307.07) v4(354.31,304.53) v4(354.31,301.99) v4(354.31,299.45) v4(354.31,296.91) v4(354.31,294.37) v4(354.31,291.83) v4(354.31,289.29) v4(354.31,286.75) v4(354.31,284.21) v4(354.31,281.67) v4(354.31,279.13) v4(354.31,276.59) v4(354.31,274.05) v4(354.31,271.51) v4(354.31,268.97) v4(354.31,266.43) v4(354.31,258.81) v4(354.31,256.27) v4(354.31,253.73) v4(354.31,251.19) v4(354.31,248.65) v4(354.31,246.11) v4(354.31,235.95) v4(354.31,233.41) v4(354.31,230.87) v4(354.31,228.33) v4(354.31,225.79) v4(354.31,223.25) v4(354.31,218.17) v4(354.31,215.63) v4(354.31,213.09) v4(354.31,210.55) v4(354.31,208.01) v4(354.31,205.47) v4(354.31,200.39) v4(354.31,197.85) v4(356.85,355.33) v4(356.85,352.79) v4(356.85,350.25) v4(356.85,347.71) v4(356.85,345.17) v4(356.85,342.63) v4(356.85,340.09) v4(356.85,337.55) v4(356.85,335.01) v4(356.85,332.47) v4(356.85,329.93) v4(356.85,327.39) v4(356.85,324.85) v4(356.85,322.31) v4(356.85,319.77) v4(356.85,317.23) v4(356.85,314.69) v4(356.85,312.15) v4(356.85,309.61) v4(356.85,307.07) v4(356.85,304.53) v4(356.85,301.99) v4(356.85,299.45) v4(356.85,296.91) v4(356.85,294.37) v4(356.85,291.83) v4(356.85,289.29) v4(356.85,286.75) v4(356.85,284.21) v4(356.85,281.67) v4(356.85,279.13) v4(356.85,276.59) v4(356.85,274.05) v4(356.85,263.89) v4(356.85,256.27) v4(356.85,248.65) v4(356.85,246.11) v4(356.85,213.09) v4(359.39,355.33) v4(359.39,352.79) v4(359.39,350.25) v4(359.39,347.71) v4(359.39,345.17) v4(359.39,342.63) v4(359.39,340.09) v4(359.39,337.55) v4(359.39,335.01) v4(359.39,332.47) v4(359.39,329.93) v4(359.39,327.39) v4(359.39,324.85) v4(359.39,322.31) v4(359.39,319.77) v4(359.39,317.23) v4(359.39,314.69) v4(359.39,312.15) v4(359.39,309.61) v4(359.39,307.07) v4(359.39,304.53) v4(359.39,301.99) v4(359.39,299.45) v4(359.39,296.91) v4(359.39,294.37) v4(359.39,286.75) v4(359.39,284.21) v4(359.39,281.67) v4(359.39,279.13) v4(359.39,276.59) v4(359.39,274.05) v4(359.39,271.51) v4(359.39,268.97) v4(359.39,266.43) v4(359.39,263.89) v4(359.39,261.35) v4(359.39,258.81) v4(359.39,256.27) v4(359.39,253.73) v4(359.39,251.19) v4(359.39,248.65) v4(359.39,246.11) v4(359.39,238.49) v4(359.39,235.95) v4(359.39,233.41) v4(359.39,230.87) v4(359.39,228.33) v4(359.39,225.79) v4(359.39,218.17) v4(359.39,215.63) v4(359.39,208.01) v4(359.39,205.47) v4(361.93,350.25) v4(361.93,347.71) v4(361.93,345.17) v4(361.93,342.63) v4(361.93,340.09) v4(361.93,337.55) v4(361.93,335.01) v4(361.93,332.47) v4(361.93,329.93) v4(361.93,327.39) v4(361.93,324.85) v4(361.93,322.31) v4(361.93,319.77) v4(361.93,317.23) v4(361.93,314.69) v4(361.93,312.15) v4(361.93,301.99) v4(361.93,294.37) v4(361.93,286.75) v4(361.93,284.21) v4(361.93,281.67) v4(361.93,279.13) v4(361.93,276.59) v4(361.93,274.05) v4(361.93,271.51) v4(361.93,268.97) v4(361.93,266.43) v4(361.93,263.89) v4(361.93,261.35) v4(361.93,258.81) v4(361.93,256.27) v4(361.93,253.73) v4(361.93,251.19) v4(361.93,248.65) v4(361.93,246.11) v4(361.93,243.57) v4(361.93,235.95) v4(361.93,233.41) v4(361.93,230.87) v4(361.93,228.33) v4(361.93,225.79) v4(361.93,218.17) v4(364.47,350.25) v4(364.47,347.71) v4(364.47,345.17) v4(364.47,342.63) v4(364.47,340.09) v4(364.47,337.55) v4(364.47,335.01) v4(364.47,332.47) v4(364.47,329.93) v4(364.47,327.39) v4(364.47,324.85) v4(364.47,322.31) v4(364.47,319.77) v4(364.47,317.23) v4(364.47,314.69) v4(364.47,312.15) v4(364.47,301.99) v4(364.47,294.37) v4(364.47,289.29) v4(364.47,286.75) v4(364.47,284.21) v4(364.47,281.67) v4(364.47,274.05) v4(364.47,271.51) v4(364.47,268.97) v4(364.47,266.43) v4(364.47,263.89) v4(364.47,261.35) v4(364.47,258.81) v4(364.47,256.27) v4(364.47,253.73) v4(364.47,251.19) v4(364.47,248.65) v4(364.47,246.11) v4(364.47,243.57) v4(364.47,241.03) v4(364.47,218.17) v4(364.47,215.63) v4(364.47,213.09) v4(364.47,210.55) v4(367.01,350.25) v4(367.01,347.71) v4(367.01,345.17) v4(367.01,342.63) v4(367.01,340.09) v4(367.01,337.55) v4(367.01,335.01) v4(367.01,332.47) v4(367.01,329.93) v4(367.01,327.39) v4(367.01,324.85) v4(367.01,322.31) v4(367.01,319.77) v4(367.01,317.23) v4(367.01,314.69) v4(367.01,312.15) v4(367.01,301.99) v4(367.01,299.45) v4(367.01,294.37) v4(367.01,286.75) v4(367.01,284.21) v4(367.01,281.67) v4(367.01,279.13) v4(367.01,276.59) v4(367.01,274.05) v4(367.01,271.51) v4(367.01,268.97) v4(367.01,266.43) v4(367.01,263.89) v4(367.01,261.35) v4(367.01,258.81) v4(367.01,256.27) v4(367.01,253.73) v4(367.01,251.19) v4(367.01,248.65) v4(367.01,246.11) v4(367.01,243.57) v4(367.01,241.03) v4(367.01,238.49) v4(367.01,230.87) v4(367.01,205.47) v4(369.55,355.33) v4(369.55,352.79) v4(369.55,350.25) v4(369.55,347.71) v4(369.55,345.17) v4(369.55,342.63) v4(369.55,340.09) v4(369.55,337.55) v4(369.55,335.01) v4(369.55,332.47) v4(369.55,329.93) v4(369.55,327.39) v4(369.55,324.85) v4(369.55,322.31) v4(369.55,319.77) v4(369.55,317.23) v4(369.55,314.69) v4(369.55,312.15) v4(369.55,309.61) v4(369.55,307.07) v4(369.55,304.53) v4(369.55,301.99) v4(369.55,291.83) v4(369.55,286.75) v4(369.55,284.21) v4(369.55,281.67) v4(369.55,279.13) v4(369.55,276.59) v4(369.55,274.05) v4(369.55,271.51) v4(369.55,268.97) v4(369.55,266.43) v4(369.55,263.89) v4(369.55,261.35) v4(369.55,258.81) v4(369.55,256.27) v4(369.55,253.73) v4(369.55,251.19) v4(369.55,248.65) v4(369.55,246.11) v4(369.55,243.57) v4(369.55,241.03) v4(369.55,238.49) v4(369.55,235.95) v4(369.55,225.79) v4(372.09,355.33) v4(372.09,352.79) v4(372.09,350.25) v4(372.09,347.71) v4(372.09,345.17) v4(372.09,342.63) v4(372.09,340.09) v4(372.09,337.55) v4(372.09,335.01) v4(372.09,332.47) v4(372.09,329.93) v4(372.09,327.39) v4(372.09,324.85) v4(372.09,322.31) v4(372.09,319.77) v4(372.09,317.23) v4(372.09,314.69) v4(372.09,312.15) v4(372.09,309.61) v4(372.09,307.07) v4(372.09,304.53) v4(372.09,301.99) v4(372.09,299.45) v4(372.09,296.91) v4(372.09,294.37) v4(372.09,289.29) v4(372.09,286.75) v4(372.09,284.21) v4(372.09,281.67) v4(372.09,279.13) v4(372.09,276.59) v4(372.09,274.05) v4(372.09,271.51) v4(372.09,268.97) v4(372.09,266.43) v4(372.09,263.89) v4(372.09,261.35) v4(372.09,241.03) v4(372.09,238.49) v4(372.09,235.95) v4(372.09,223.25) v4(372.09,210.55) v4(372.09,197.85) v4(374.63,355.33) v4(374.63,352.79) v4(374.63,350.25) v4(374.63,347.71) v4(374.63,345.17) v4(374.63,342.63) v4(374.63,340.09) v4(374.63,337.55) v4(374.63,335.01) v4(374.63,332.47) v4(374.63,329.93) v4(374.63,327.39) v4(374.63,324.85) v4(374.63,322.31) v4(374.63,319.77) v4(374.63,317.23) v4(374.63,314.69) v4(374.63,312.15) v4(374.63,309.61) v4(374.63,307.07) v4(374.63,304.53) v4(374.63,301.99) v4(374.63,299.45) v4(374.63,296.91) v4(374.63,294.37) v4(374.63,291.83) v4(374.63,286.75) v4(374.63,284.21) v4(374.63,281.67) v4(374.63,279.13) v4(374.63,276.59) v4(374.63,274.05) v4(374.63,271.51) v4(374.63,268.97) v4(374.63,266.43) v4(374.63,263.89) v4(374.63,261.35) v4(374.63,258.81) v4(374.63,256.27) v4(374.63,200.39) v4(374.63,197.85) v4(377.17,355.33) v4(377.17,352.79) v4(377.17,350.25) v4(377.17,347.71) v4(377.17,345.17) v4(377.17,342.63) v4(377.17,340.09) v4(377.17,337.55) v4(377.17,335.01) v4(377.17,332.47) v4(377.17,329.93) v4(377.17,327.39) v4(377.17,324.85) v4(377.17,322.31) v4(377.17,319.77) v4(377.17,317.23) v4(377.17,314.69) v4(377.17,312.15) v4(377.17,309.61) v4(377.17,307.07) v4(377.17,304.53) v4(377.17,301.99) v4(377.17,299.45) v4(377.17,296.91) v4(377.17,294.37) v4(377.17,291.83) v4(377.17,289.29) v4(377.17,284.21) 